# KiCad board Motherboard.kicad_pcb (continued)
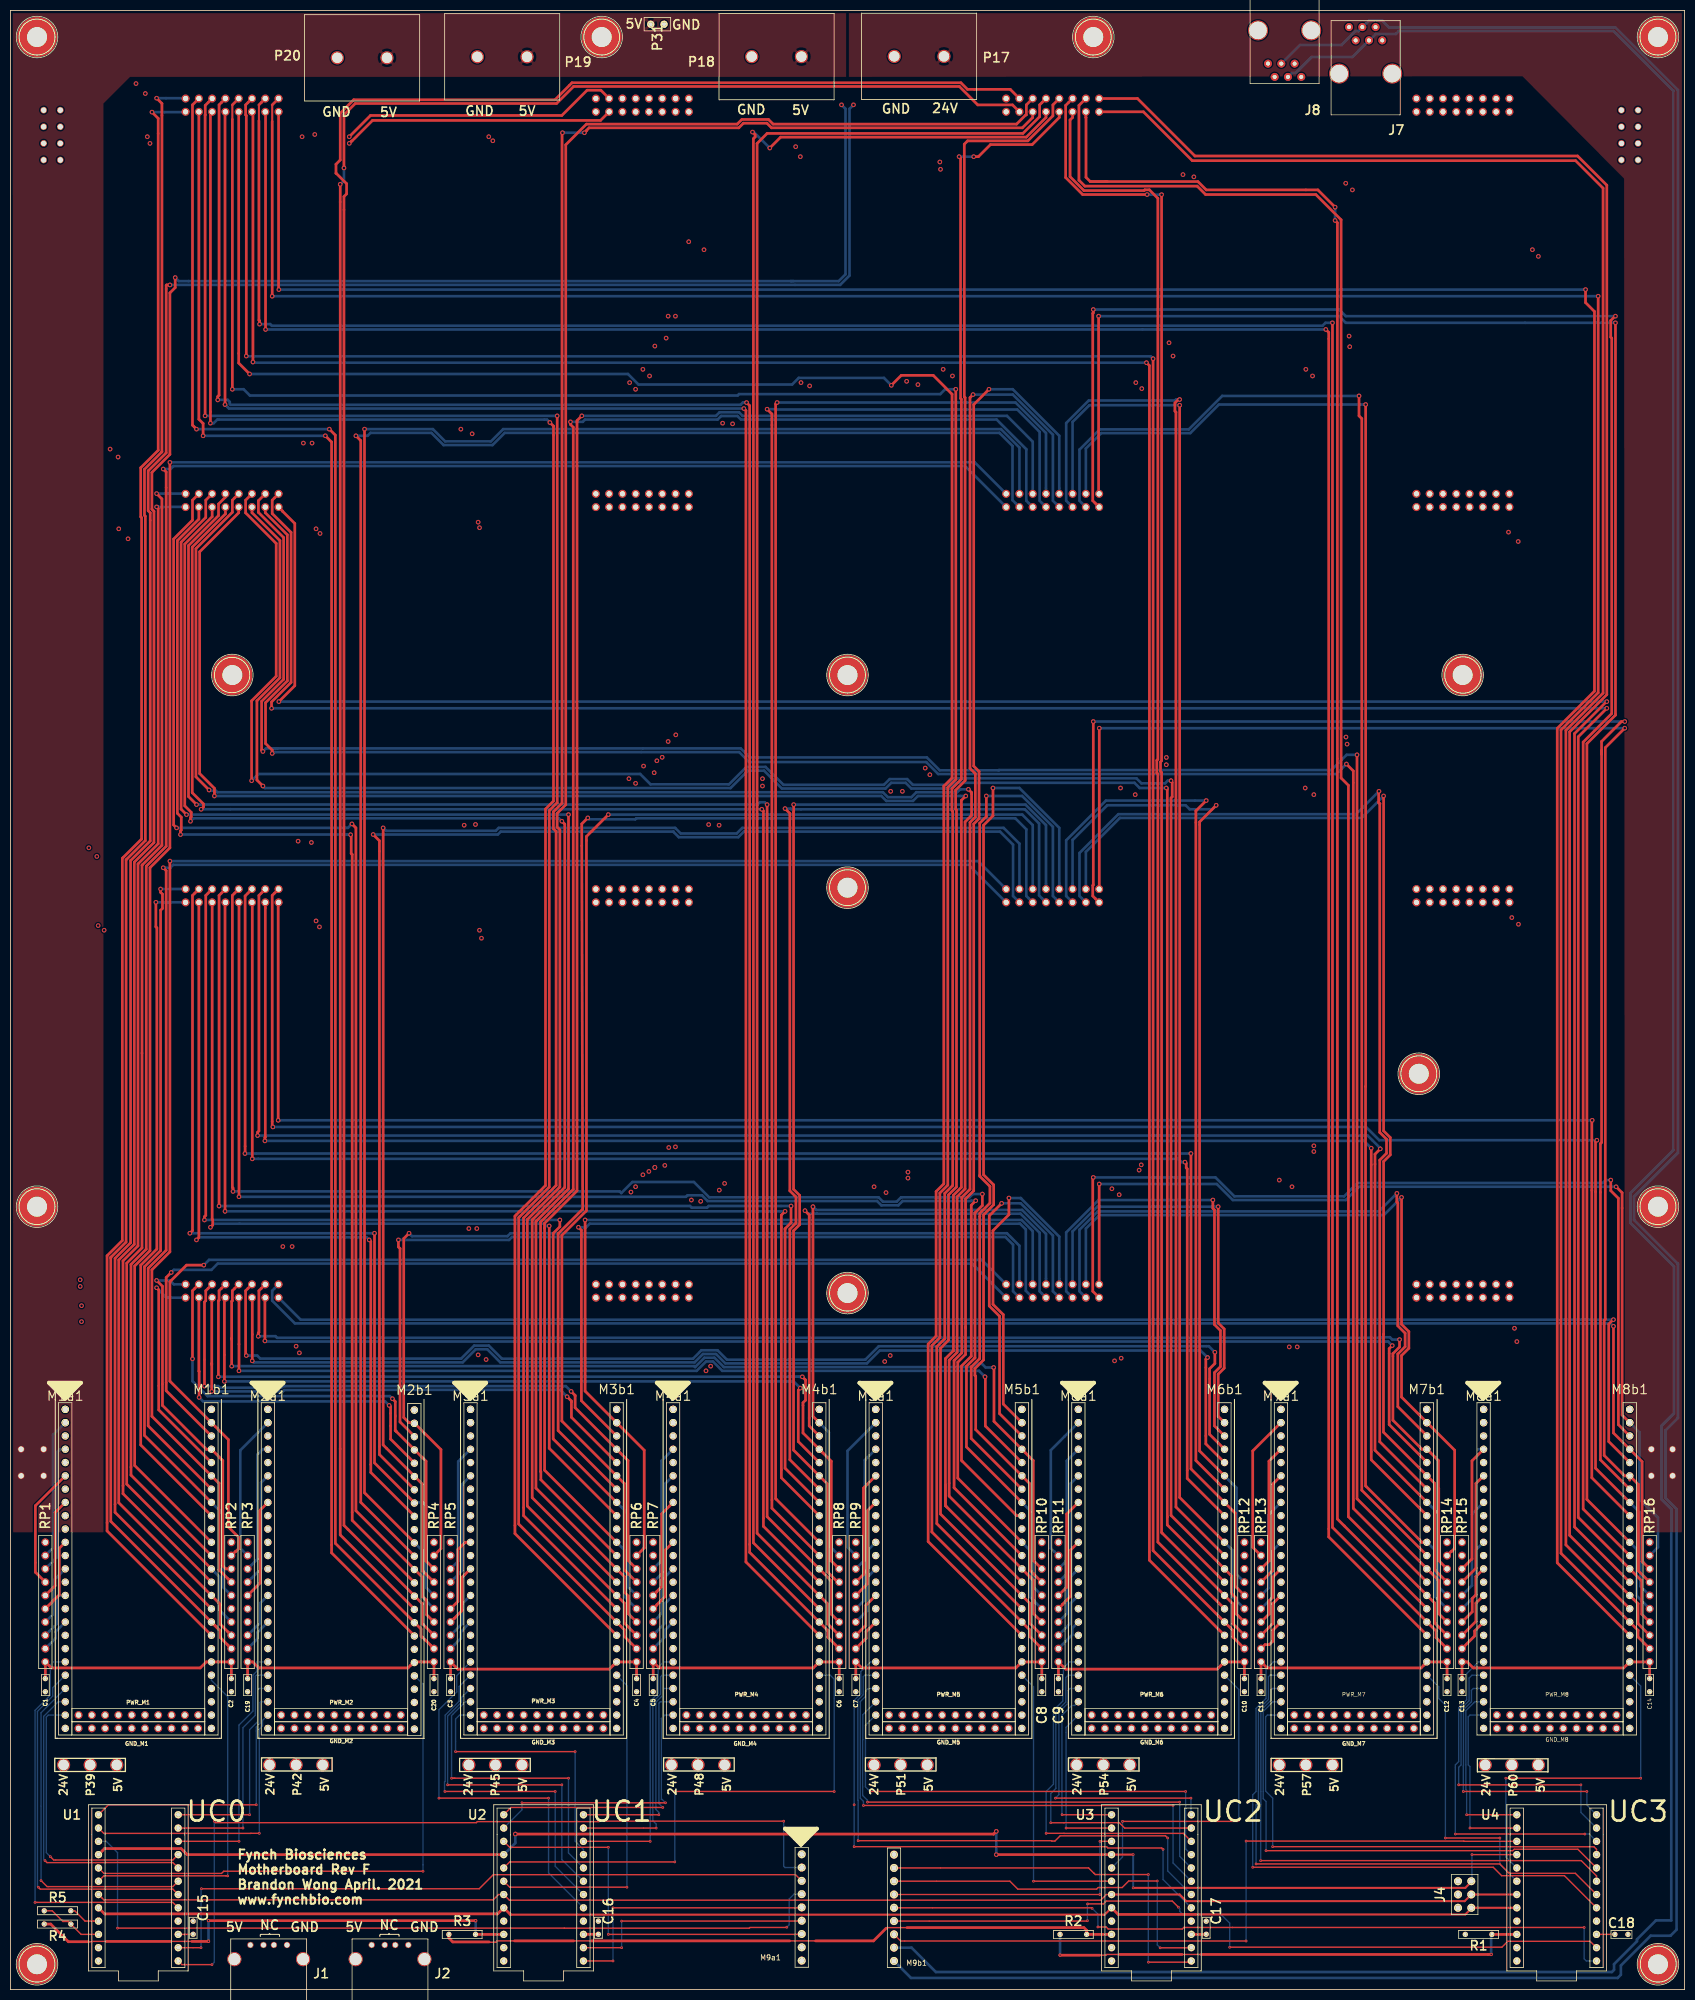
[diagram p0: board, top side]
## Routing (per net, layer and track width the routed paths; a pad name or vN(x,y) marks a point on that pad's centre or on a via; arc(x,y) is an arc through that point) (continued)
/LED+01: length 171.1
  In1.Cu w0.508: v2(167.39,152.3) 171.96,147.73 267.25,147.73 277.72,137.25 277.72,133.44 P1.7
  In2.Cu w0.508: M5a1.5 167.28,107.66 167.28,118.15 165.3,120.13 165.3,121.55 167.28,123.53 167.28,152.2 v2(167.39,152.3)
/LED+02: length 72.7
  Top w0.508: M5b1.6 189.09,110.06 189.09,128.66 187.12,130.63 187.12,147.88 v2(189.48,150.24)
  Bottom w0.508: P2.7 199.29,133.44 199.29,144.09 193.14,150.24 v2(189.48,150.24)
/LED+03: length 81.8
  In1.Cu w0.508: P3.7 122.07,121.66 122.74,120.99 134.53,120.99 134.8,120.73 163.83,120.73 164.26,121.16 v2(168.19,121.16)
  In2.Cu w0.508: 169.09,120.45 169.09,118.08 168.73,117.73 168.73,104.03 M5a1.9 ; 169.09,120.45 169.09,118.34 ; 169.09,120.45 168.38,121.16 v2(168.19,121.16)
/LED+04: length 177.9
  Top w0.508: M5b1.10 186.37,107.7 186.37,117.03 v2(186.31,117.09) ; P4.7 43.69,132.17 v2(43.69,118.24)
  Bottom w0.508: v2(186.31,117.09) 185.17,118.24 183.77,118.24 136.08,118.24 134.29,120.03 132.98,120.03 131.19,118.24 v2(43.69,118.24)
/LED+05: length 253.9
  In1.Cu w0.508: v2(170.51,228.98) 170.95,228.54 171.87,228.54 175.74,224.66 264.12,224.66 277.72,211.06 277.72,208.98 P5.7
  In2.Cu w0.508: M5a1.13 170.51,100.72 170.51,222.43 170.51,227.58 v2(170.51,228.98)
/LED+06: length 169.4
  Top w0.508: M5b1.14 183.67,105.32 183.67,119 183.7,119 185.29,120.59 185.29,147.7 185.32,147.73 185.32,148.35 187.25,150.28 187.25,153.48 185.32,155.41 185.32,155.55 185.29,155.58 185.29,222.89 186.56,224.16 v2(186.56,228.09)
  Bottom w0.508: v2(186.56,228.09) 193.4,228.09 199.29,222.2 199.29,208.98 P6.7
/LED+07: length 170.4
  In1.Cu w0.508: v2(171.58,156.21) 170.95,156.21 170.52,155.78 122.61,155.78 v2(122.05,156.34)
  In2.Cu w0.508: v2(122.05,156.34) 122.05,165.07 122.07,165.1 P7.7 ; M5a1.17 172.29,97.42 172.29,154.18 172.48,154.37 172.48,155.5 171.77,156.21 v2(171.58,156.21)
/LED+08: length 265.1
  Top w0.508: v2(43.69,151.51) 43.69,207.71 P8.7 ; v2(184.53,150.75) 183.68,149.9 183.68,121.02 181.81,119.16 181.81,101.11 192.37,90.55 M5b1.18
  Bottom w0.508: v2(184.53,150.75) 183.7,150.75 183.63,150.69 170.56,150.69 169.74,149.86 166.5,149.86 165.67,150.69 133.29,150.69 132.19,151.78 129.43,151.78 129.15,151.5 43.7,151.5 v2(43.69,151.51)
/LED+09: length 344.5
  In1.Cu w0.508: v2(173.48,306.71) 175.66,304.53 175.66,304.42 179.06,301.02 263.31,301.02 277.72,286.6 277.72,284.52 P9.7
  In2.Cu w0.508: v2(173.48,306.71) 173.94,306.25 173.94,90.46 166.41,82.93 M5a1.23
/LED+10: length 262.4
  Top w0.508: M5b1.24 180.39,95.9 180.39,120.18 181.88,121.67 181.88,151.39 183.44,152.95 183.44,223.04 184.45,224.06 184.45,232.36 183.44,233.38 183.44,304.22 v2(184.02,304.8)
  Bottom w0.508: v2(184.02,304.8) 191.62,304.8 199.29,297.13 199.29,284.52 P10.7
/LED+11: length 263
  In1.Cu w0.508: v2(175.77,232.16) 144.84,232.16 144.07,232.93 123.46,232.93 v2(123.06,232.54)
  In2.Cu w0.508: v2(175.77,232.16) 175.59,231.98 175.59,89.56 175.59,88.02 M5a1.27 ; P11.7 122.07,233.53 v2(123.06,232.54)
/LED+12: length 366.2
  Top w0.508: 178.74,92.47 178.74,96.48 ; 178.74,92.47 179.01,92.2 ; 178.74,92.47 178.74,120.56 180.24,122.07 180.26,122.07 180.26,151.79 181.79,153.31 181.79,227.25 v2(182.63,228.09) ; 178.74,92.47 179.01,92.2 ; P12.7 43.64,282.22 36.17,274.75 36.17,232.37 38.99,229.55 v2(38.99,228.09) ; 179.01,92.2 M5b1.28
  Bottom w0.508: v2(182.63,228.09) 173.48,228.09 172.54,227.15 167.44,227.15 166.5,228.09 v2(38.99,228.09)
/LED+13: length 386.5
  In1.Cu w0.508: v2(177.8,347.85) 178.49,348.54 269.72,348.54 278.94,357.76 P13.7
  In2.Cu w0.508: M5a1.31 177.24,84.59 177.24,231.28 177.39,231.43 177.39,347.45 v2(177.8,347.85)
/LED+14: length 309.8
  Top w0.508: v2(184.15,350.27) 185.04,350.27 187.35,352.58 195.32,352.58 200.51,357.76 P14.7 ; M5b1.32 177.09,89.04 177.09,122.85 178.61,124.37 178.61,152.15 180.14,153.67 180.14,225.17 179.98,225.32 179.98,229.5 181.79,231.31 181.79,303.92 181.64,304.07 181.64,349.99 v2(181.36,350.27)
  Bottom w0.508: v2(181.36,350.27) v2(184.15,350.27)
/LED+15: length 357.1
  In1.Cu w0.508: v2(122.17,308.36) v2(180.09,308.36)
  In2.Cu w0.508: M5a1.35 166.41,67.69 178.89,80.18 178.89,92.8 179.07,92.97 179.07,296.16 179.02,296.21 181.62,298.82 181.62,306.82 v2(180.09,308.36) ; P15.7 122.17,358.74 v2(122.17,308.36)
/LED+16: length 436
  Top w0.508: M5b1.36 175.44,85.61 175.44,123.36 176.96,124.88 176.96,152.51 178.44,153.98 178.44,229.97 180.01,231.54 180.01,304.88 176.4,308.48 170.31,308.48 v2(168.4,306.58) ; v2(45.72,308.74) 43.64,310.82 P16.7
  Bottom w0.508: v2(168.4,306.58) 166.99,307.99 150.7,307.99 149.43,306.72 120.07,306.72 118.05,308.74 v2(45.72,308.74)
/LED-01: length 199
  In1.Cu w0.508: v2(165.1,153.42) 167.6,153.42 172.58,148.44 267.55,148.44 278.94,137.04 P1.8
  In2.Cu w0.508: M5a1.3 166.57,109.49 166.57,117.86 164.59,119.84 164.59,121.84 166.57,123.82 166.57,148.97 165.1,150.44 v2(165.1,153.42)
  Bottom w0.508: RP9.9 160.02,84.52 160.02,102.93 M5a1.3
/LED-02: length 95.3
  Top w0.508: M5b1.4 189.8,111.89 189.8,128.97 187.83,130.94 187.83,145.03 190.88,148.08 v2(190.88,151.26)
  In2.Cu w0.508: RP10.9 195.07,85.03 195.07,106.62 M5b1.4
  Bottom w0.508: P2.8 200.51,143.88 193.13,151.26 v2(190.88,151.26)
/LED-03: length 103.2
  In1.Cu w0.508: P3.8 120.75,133.44 120.75,121.97 122.44,120.28 134.04,120.28 134.3,120.01 v2(167.13,120.01)
  In2.Cu w0.508: M5a1.7 168.02,105.85 168.02,119.13 v2(167.13,120.01)
  Bottom w0.508: RP9.8 163.32,82.11 163.32,101.16 M5a1.7
/LED-04: length 206.5
  Top w0.508: 42.29,124.46 42.29,131.51 42.42,131.63 42.42,133.54 P4.8 ; 42.29,124.46 42.29,124.21 ; 42.29,124.46 v2(42.29,119.13) ; v2(187.96,118.87) 188.02,118.81 188.02,108.59 M5b1.8 195.53,101.08 195.53,82.03 RP10.8
  Bottom w0.508: v2(42.29,119.13) 42.3,119.14 130.7,119.14 130.89,118.95 132.68,120.74 134.59,120.74 136.38,118.95 184.35,118.95 184.98,119.57 185.74,119.57 186.44,118.87 v2(187.96,118.87)
/LED-05: length 275.2
  Top w0.508: M5a1.11 163.07,95.82 163.07,79.31 RP9.7
  In1.Cu w0.508: P5.8 278.94,211.38 264.95,225.37 176.45,225.37 171.58,230.25 169.54,230.25 v2(168.28,228.98)
  In2.Cu w0.508: M5a1.11 169.8,102.55 169.8,120.74 169.42,121.12 169.42,227.84 v2(168.28,228.98)
/LED-06: length 187.6
  Top w0.508: RP10.7 194.82,80.2 194.82,96.71 M5b1.12 184.53,107 184.53,117.22 184.38,117.37 184.38,118.67 186.03,120.32 186.03,148.06 187.96,149.99 187.96,153.77 186.03,155.7 186.03,222.5 187.83,224.31 v2(187.83,229.62)
  Bottom w0.508: P6.8 200.51,221.99 192.88,229.62 v2(187.83,229.62)
/LED-07: length 191.5
  Top w0.508: M5a1.15 163.83,91.5 163.83,77.53 161.61,75.31
  In1.Cu w0.508: v2(171.58,155.07) 121.54,155.07 v2(120.9,155.7)
  In2.Cu w0.508: 120.85,209.08 P7.8 120.85,209.08 ; 120.85,209.08 120.85,155.75 v2(120.9,155.7) ; 171.45,120.4 171.45,99.12 M5a1.15 ; 171.58,120.52 v2(171.58,155.07)
/LED-08: length 288.7
  Top w0.508: v2(185.8,152.02) 185.8,149.84 184.39,148.43 184.39,120.69 184.36,120.69 182.75,119.09 182.75,103.7 M5b1.16 ; P8.8 42.42,209.08 42.42,153.28 42.54,153.16 v2(42.54,152.53)
  Bottom w0.508: M5b1.16 195.53,90.92 195.53,76.95 197.17,75.31 ; v2(185.8,152.02) 183.96,152.02 183.34,151.4 170.27,151.4 169.44,150.57 166.79,150.57 165.97,151.4 133.58,151.4 130.66,154.32 118.88,154.32 116.78,152.21 116.46,152.53 v2(42.54,152.53)
/LED-09: length 357.9
  In1.Cu w0.508: v2(171.32,307.34) 171.95,307.34 172.26,307.64 174.4,307.64 180.32,301.73 264.13,301.73 278.94,286.92 P9.8
  In2.Cu w0.508: M5a1.21 173.23,93.28 173.23,305.44 v2(171.32,307.34)
  Bottom w0.508: 165.42,85.15 M5a1.21 164.08,84.14 164.08,80.52 163.12,79.55 163.12,74.28 RP9.5
/LED-10: length 271.5
  Top w0.508: 182.59,126.62 182.59,121.37 181.1,119.89 181.1,97.73 M5b1.22 ; 182.59,126.62 182.59,126.33 ; 182.59,126.62 182.59,151.09 184.15,152.65 184.15,222.75 185.17,223.76 185.17,232.79 184.15,233.81 184.15,302.89 v2(187.07,305.82)
  Bottom w0.508: M5b1.22 194.82,84.01 194.82,75.12 RP10.5 ; v2(187.07,305.82) 191.61,305.82 200.51,296.92 P10.8
/LED-11: length 275.6
  In1.Cu w0.508: v2(121.03,233.81) 131.89,233.81 131.95,233.87 174.43,233.87 v2(174.88,233.43)
  In2.Cu w0.508: v2(121.03,233.81) 121.03,282.54 120.85,282.71 120.85,284.62 P11.8 ; v2(174.88,233.43) 174.88,232.8 174.65,232.57 174.65,229.72 174.88,229.49 174.88,89.85 M5a1.25
  Bottom w0.508: M5a1.25 163.83,78.8 163.83,72.45 RP9.4
/LED-12: length 375.9
  Top w0.508: v2(183.13,229.36) 183.74,228.75 183.74,224.38 182.5,223.14 182.5,153.01 180.97,151.49 180.97,121.77 179.47,120.27 179.45,120.27 179.45,94.3 M5b1.26 195.53,78.22 195.53,71.87 RP10.4 ; v2(37.97,229.24) 35.46,231.75 35.46,275.35 42.42,282.31 42.42,284.62 P12.8
  Bottom w0.508: v2(183.13,229.36) 181.53,229.36 180.97,228.8 173.18,228.8 172.24,227.86 167.73,227.86 166.79,228.8 39.55,228.8 39.24,229.11 38.1,229.11 v2(37.97,229.24)
/LED-13: length 395.8
  Top w0.508: M5a1.29 163.51,73.41 163.51,69.6 161.61,67.69
  In1.Cu w0.508: P13.8 277.72,360.16 277.72,358.08 268.9,349.25 v2(177.67,349.25)
  In2.Cu w0.508: M5a1.29 176.53,86.42 176.53,231.57 176.68,231.72 176.68,348.46 177.47,349.25 v2(177.67,349.25)
/LED-14: length 318.1
  Top w0.508: P14.8 199.29,360.16 199.29,358.08 194.5,353.29 182.98,353.29 182.35,352.65 182.35,304.37 182.5,304.21 182.5,231.01 180.7,229.21 180.7,225.62 180.85,225.47 180.85,153.38 179.32,151.85 179.32,124.08 177.8,122.56 177.8,90.87 M5b1.30 194.82,73.85 194.82,70.04 197.17,67.69
/LED-15: length 361.1
  Top w0.508: M5a1.33 163.58,68.39 163.58,67.12 RP9.2
  In1.Cu w0.508: v2(178.31,309.63) v2(120.9,309.63)
  In2.Cu w0.508: M5a1.33 178.18,82.99 178.18,93.09 178.31,93.22 v2(178.31,309.63) ; v2(120.9,309.63) 120.9,310.25 120.85,310.31 120.85,360.16 P15.8
/LED-16: length 446.6
  Top w0.381: 42.42,360.16 42.42,357.38
  Top w0.508: v2(42.42,305.82) 42.42,357.38 ; 42.42,360.16 P16.8 ; RP10.2 194.82,67.5 194.82,68.77 M5b1.34 176.15,87.44 176.15,123.06 177.67,124.59 177.67,152.21 179.2,153.74 179.2,229.72 180.72,231.25 v2(180.72,305.82)
  Bottom w0.508: v2(42.42,305.82) 44.58,305.82 45.77,304.62 139.01,304.62 139.28,304.89 177.76,304.89 178.69,305.82 v2(180.72,305.82)
/M1_3V3: length 42.9
  Top w0.508: C2.2 RP2.1 M1b1.40 37.43,62.61 36.27,61.46 7.82,61.46 RP1.1 C1.2
/M2_3V3: length 43
  Top w0.508: C19.2 RP3.1 46.33,62.61 47.48,61.46 76,61.46 77.15,62.61 RP4.1 C20.2
/M3_3V3: length 43.1
  Top w0.508: C3.2 RP5.1 85.52,61.23 114.5,61.23 M3b1.40 RP6.1 C4.2
/M4_3V3: length 42.9
  Top w0.508: C6.2 RP8.1 M4b1.40 153.47,61.46 124.03,61.46 RP7.1 C5.2
/M5_3V3: length 42.9
  Top w0.508: C7.2 RP9.1 162.76,61.46 192.2,61.46 M5b1.40 RP10.1 C8.2
/M6_3V3: length 43.1
  Top w0.508: C9.2 RP11.1 201.73,61.23 230.71,61.23 M6b1.40 RP12.1 C10.2
/M7_3V3: length 42.9
  Top w0.508: C12.2 RP14.1 270.83,62.61 269.67,61.46 240.23,61.46 RP13.1 C11.2
/M8_3V3: length 43.2
  Top w0.508: C13.2 RP15.1 278.48,62.61 279.64,61.46 308.41,61.46 M8b1.40 RP16.1 C14.2
/PD+01: length 130.6
  In1.Cu w0.508: v2(211.96,151.89) 230.19,151.89 232.79,149.29 267.7,149.29 280.26,136.73 280.26,133.44 P1.5
  In2.Cu w0.508: M6a1.5 211.28,112.92 211.28,117.9 209.25,119.93 209.25,124.29 211.28,126.32 211.28,151 211.47,151.19 211.47,151.4 v2(211.96,151.89)
/PD+02: length 90.5
  Top w0.508: M6b1.6 230.17,107.71 230.17,117.9 231.32,119.04 231.32,125.93 230.17,127.08 230.17,148.98 229.87,149.29 v2(229.87,150.88)
  Bottom w0.508: v2(229.87,150.88) 208.03,150.88 201.83,144.68 201.83,133.44 P2.5
/PD+03: length 121.6
  In1.Cu w0.508: v2(212.34,120.65) 211.51,121.49 170.2,121.49 168.91,122.77 132.3,122.77 132.28,122.76 125.09,122.76 124.61,123.24 P3.5
  In2.Cu w0.508: M6a1.9 212.93,109.49 212.93,120.07 v2(212.34,120.65)
/PD+04: length 221.6
  Top w0.508: M6b1.10 228.52,104.28 228.52,120.45 v2(228.85,120.78) ; P4.5 46.23,132.17 v2(46.23,120.14)
  Bottom w0.508: v2(228.85,120.78) 227.52,122.11 166.18,122.11 163.73,119.66 136.67,119.66 134.88,121.45 132.38,121.45 130.78,119.85 93.65,119.85 91.15,122.35 88.95,122.35 86.45,119.85 46.52,119.85 v2(46.23,120.14)
/PD+05: length 214.4
  In1.Cu w0.381: 280.26,211.06 280.26,208.98
  In1.Cu w0.508: P5.5 280.26,208.98 ; 280.26,211.06 264.88,226.44 233.69,226.44 231.79,228.35 226.24,228.35 225.09,227.2 216.15,227.2 215.47,227.89 215.47,227.9 v2(215.02,228.35)
  In2.Cu w0.508: M6a1.13 214.83,106.31 214.83,121.75 214.83,228.16 v2(215.02,228.35)
/PD+06: length 177
  Top w0.508: M6b1.14 226.62,101.1 226.62,225.23 v2(228.6,227.22)
  Bottom w0.508: v2(228.6,227.22) 209.42,227.22 201.83,219.62 201.83,208.98 P6.5
/PD+07: length 214.7
  In1.Cu w0.508: v2(125.09,157.49) 125.45,157.85 213.49,157.85 213.69,158.05 215.73,158.05 v2(216.18,157.61)
  In2.Cu w0.508: M6a1.17 216.48,102.88 216.48,155.19 216.67,155.38 216.67,157.11 v2(216.18,157.61) ; 124.61,158.37 124.61,157.98 v2(125.09,157.49) ; 124.61,158.37 P7.5 ; 124.61,158.37 124.61,158.08
/PD+08: length 298.3
  Top w0.508: v2(46.23,158.75) 46.23,207.71 P8.5 ; M6b1.18 224.97,97.68 224.97,156.84 224.78,157.04 224.78,157.87 v2(224.54,158.12)
  Bottom w0.508: v2(46.23,158.75) 223.27,158.75 223.91,158.12 v2(224.54,158.12)
/PD+09: length 305.4
  In1.Cu w0.508: P9.5 280.26,284.52 280.26,286.6 261.3,305.56 220.98,305.56 220.6,305.94 v2(216.28,305.94)
  In2.Cu w0.508: v2(216.28,305.94) 218.12,304.1 218.14,304.1 218.14,96.91 M6a1.23
/PD+10: length 265.5
  Top w0.508: M6b1.24 222.81,92.21 222.81,301.45 222.62,301.64 222.62,303.2 223.28,303.86 v2(223.52,303.86)
  Bottom w0.508: P10.5 201.83,284.52 201.83,299.35 206.14,303.67 222.63,303.67 222.82,303.86 v2(223.52,303.86)
/PD+11: length 309.6
  In1.Cu w0.508: v2(124.59,235.48) 124.61,235.46 v2(220.98,235.46)
  In2.Cu w0.508: M6a1.27 219.79,93.48 219.79,230.76 219.84,230.76 221.87,232.79 221.87,234.57 v2(220.98,235.46) ; v2(124.59,235.48) 124.59,283.27 P11.5
/PD+12: length 391.6
  Top w0.508: v2(48.26,230) 47.12,231.14 47.12,246.29 51.51,250.68 51.51,276.89 46.18,282.22 P12.5 ; v2(220.97,229.62) 221.16,229.43 221.16,88.79 M6b1.28
  Bottom w0.508: v2(48.26,230) 48.65,229.6 137.66,229.6 140.98,232.93 144.07,232.93 147.49,229.51 167.28,229.51 168.38,230.61 171.13,230.61 172.23,229.51 179.48,229.51 180.57,230.61 214.88,230.61 215.87,229.62 v2(220.97,229.62)
/PD+13: length 346.4
  In1.Cu w0.508: P13.5 281.48,357.76 270.13,346.41 v2(226.23,346.41)
  In2.Cu w0.508: M6a1.31 221.44,90.06 221.44,227.67 223.52,229.75 223.52,235.45 220.42,238.55 220.42,340.6 v2(226.23,346.41)
/PD+14: length 306.2
  Top w0.508: M6b1.32 219.35,85.51 219.35,232.28 219.15,232.49 219.15,234.9 219.35,235.1 219.35,342.3 217.73,343.93 216.86,343.93 216.72,343.79 205.22,343.79 202.56,346.45 202.56,357.28 203.05,357.76 P14.5
/PD+15: length 398.7
  In1.Cu w0.508: v2(221.49,314.71) 221.41,314.78 126.16,314.78 v2(125.35,315.6)
  In2.Cu w0.508: M6a1.35 223.09,86.63 223.09,227.31 224.94,229.16 224.94,236.04 221.84,239.14 221.84,303.63 223.77,305.56 223.77,312.42 v2(221.49,314.71) ; v2(125.35,315.6) 124.61,316.33 P15.5
/PD+16: length 468.1
  Top w0.508: v2(46.35,311.02) 46.35,358.66 P16.5 ; M6b1.36 217.73,82.05 217.73,310.34 v2(217.17,310.9)
  Bottom w0.508: v2(217.17,310.9) 46.48,310.9 v2(46.35,311.02)
/PD-01: length 156.8
  In1.Cu w0.508: v2(210.57,153.03) 230.05,153.03 233.09,150 268,150 281.48,136.51 P1.6
  In2.Cu w0.508: M6a1.3 210.57,114.74 210.57,117.6 208.53,119.63 208.53,124.59 210.57,126.62 v2(210.57,153.03)
  Bottom w0.508: RP11.9 199.59,83.68 199.53,83.68 198.88,84.33 198.88,103.06 M6a1.3
/PD-02: length 109.6
  Top w0.508: M6b1.4 230.89,109.54 230.89,117.6 232.03,118.75 232.03,126.24 230.89,127.38 v2(230.89,149.61)
  In2.Cu w0.508: RP12.9 234.44,84.39 234.44,105.98 M6b1.4
  Bottom w0.508: P2.6 203.05,144.88 207.77,149.61 v2(230.89,149.61)
/PD-03: length 146.8
  In1.Cu w0.508: P3.6 123.39,133.54 123.39,123.11 124.46,122.05 132.97,122.05 132.98,122.06 168.62,122.06 169.9,120.78 210.44,120.78 v2(211.07,120.14)
  In2.Cu w0.508: M6a1.7 205.14,103.25 212.22,110.33 212.22,119 v2(211.07,120.14)
  Bottom w0.508: RP11.8 201.93,81.98 201.93,101.03 M6a1.7
/PD-04: length 249.2
  Top w0.508: M6b1.8 229.23,106.11 229.23,118.62 230.25,119.63 v2(230.25,121.79) ; P4.6 44.96,133.54 44.96,121.29 v2(45.09,121.16)
  In2.Cu w0.508: RP12.8 233.68,82.61 233.68,101.66 M6b1.8
  Bottom w0.508: v2(230.25,121.79) 229.11,122.94 166,122.94 163.43,120.37 136.97,120.37 135.17,122.16 132.09,122.16 130.49,120.56 93.95,120.56 91.44,123.06 88.66,123.06 86.17,120.57 47.75,120.57 47.17,121.16 v2(45.09,121.16)
/PD-05: length 237.2
  In1.Cu w0.508: 281.31,211.33 281.48,211.15 P5.6 ; 281.31,211.33 281.43,211.2 ; 281.31,211.33 265.48,227.15 233.98,227.15 232.08,229.06 225.94,229.06 224.8,227.91 216.79,227.91 215.09,229.62 v2(212.22,229.62)
  In2.Cu w0.508: M6a1.11 214.12,108.14 214.12,122.05 214.12,122.05 214.12,227.71 v2(212.22,229.62)
  Bottom w0.508: RP11.7 202.69,80.2 202.69,96.71 M6a1.11
/PD-06: length 193.5
  Top w0.508: M6b1.12 227.33,102.93 227.33,223.14 v2(230.5,226.31)
  Bottom w0.508: RP12.7 234.39,79.36 234.39,95.87 M6b1.12 ; P6.6 203.05,219.68 209.68,226.31 224.66,226.31 225.42,225.55 229.74,225.55 v2(230.5,226.31)
/PD-07: length 234.8
  Top w0.508: 200.34,75.31 201.93,76.9 201.93,90.87 M6a1.15
  In1.Cu w0.508: v2(215.77,156.59) 215.25,157.11 129.55,157.11 128.93,156.49 123.8,156.49 v2(123.19,157.1)
  In2.Cu w0.508: v2(215.77,156.59) 215.77,104.71 M6a1.15 ; P7.6 123.39,209.08 123.39,157.93 123.19,157.73 v2(123.19,157.1)
/PD-08: length 320.6
  Top w0.508: 235.9,75.31 234.14,77.08 234.14,91.05 M6b1.16 225.68,99.5 v2(225.68,159.77) ; P8.6 44.86,208.98 44.86,159.79 v2(44.83,159.77)
  Bottom w0.508: v2(44.83,159.77) v2(225.68,159.77)
/PD-09: length 318.1
  Top w0.508: M6a1.21 202.69,84.01 202.69,75.18 201.09,73.58 201.09,73.52 RP11.5
  In1.Cu w0.508: v2(215.14,307.09) 261.31,307.09 281.48,286.92 P9.6
  In2.Cu w0.508: M6a1.21 217.42,98.74 217.42,302.77 215.14,305.05 v2(215.14,307.09)
/PD-10: length 270.7
  Top w0.508: M6b1.22 223.52,94.04 v2(223.52,302.77)
  Bottom w0.508: v2(223.52,302.77) 206.25,302.77 203.05,299.57 P10.6 ; RP12.5 233.68,74.99 233.68,83.88 M6b1.22
/PD-11: length 321.7
  In1.Cu w0.508: v2(220.97,234.06) 175.58,234.06 175.06,234.58 131.33,234.58 131.27,234.52 123.88,234.52 v2(123.57,234.82)
  In2.Cu w0.508: P11.6 123.39,284.62 123.39,235 v2(123.57,234.82) ; M6a1.25 219.07,95.31 219.07,232.17 v2(220.97,234.06)
  Bottom w0.508: RP11.4 201.93,71.82 201.93,78.17 M6a1.25
/PD-12: length 408.4
  Top w0.508: RP12.4 234.39,71.74 234.39,74.73 233.43,75.69 233.43,79.06 M6b1.26 221.87,90.61 221.87,227.71 222.1,227.94 222.1,230.66 221.87,230.89 v2(221.87,231.01) ; v2(46.1,231.01) 46.1,246.28 50.8,250.98 50.8,276.35 44.96,282.19 44.96,284.62 P12.6
  Bottom w0.508: v2(221.87,231.01) 221.24,231.01 220.73,230.5 216.22,230.5 215.26,231.46 180.41,231.46 179.18,230.23 172.52,230.23 171.43,231.32 168.08,231.32 166.99,230.23 147.78,230.23 144.36,233.64 140.69,233.64 137.36,230.31 122.36,230.31 120.38,232.3 47.38,232.3 v2(46.1,231.01)
/PD-13: length 356.1
  In1.Cu w0.508: v2(224.16,346.84) 224.96,347.64 269.82,347.64 280.26,358.08 280.26,360.16 P13.6
  In2.Cu w0.508: M6a1.29 220.73,91.88 220.73,227.97 222.77,230.01 222.77,235.19 219.71,238.25 219.71,341.16 224.16,345.61 v2(224.16,346.84)
  Bottom w0.508: M6a1.29 202.69,73.85 202.69,70.04 200.34,67.69
/PD-14: length 317.4
  Top w0.508: v2(220.07,343) 220.07,234.81 219.86,234.6 219.86,232.78 220.07,232.58 220.07,87.34 M6b1.30 233.68,73.72 233.68,69.91 235.9,67.69 ; v2(217.3,343.03) 204.98,343.03 201.73,346.28 201.73,360.06 P14.6
  Bottom w0.508: v2(217.3,343.03) 217.32,343 v2(220.07,343)
/PD-15: length 406.4
  In1.Cu w0.508: v2(222.25,312.17) 220.34,314.07 v2(123.19,314.07)
  In2.Cu w0.508: v2(123.19,314.07) 123.19,314.7 123.39,314.9 123.39,360.16 P15.6 ; v2(222.25,312.17) 221.13,311.05 221.13,238.84 224.23,235.74 224.23,229.46 222.38,227.6 222.38,88.46 M6a1.33
  Bottom w0.508: RP11.2 203,67.81 203,69.08 M6a1.33
/PD-16: length 477.1
  Top w0.508: v2(45.09,312.17) 45.09,358.13 44.96,358.25 44.96,360.16 P16.6 ; v2(218.44,311.66) 218.44,83.88 M6b1.34 233.68,68.64 233.68,67.37 RP12.2
  Bottom w0.508: v2(45.09,312.17) 45.15,312.1 218,312.1 v2(218.44,311.66)
/SPA+01: length 28.9
  In2.Cu w0.508: P1.1 286.56,128.57 286.05,128.07 286.05,118.74 286.56,118.24 286.56,110.73 M8a1.5
/SPA+02: length 175.6
  Top w0.508: v2(305.94,154.69) 305.94,152.65 307.39,151.21 307.39,107.96 M8b1.6 ; v2(207.01,155.19) 206.91,155.09 206.91,133.44 P2.1
  Bottom w0.508: v2(305.94,154.69) 304.98,154.69 304.42,154.13 257.51,154.13 256.41,153.03 256.41,153.02 254.98,151.59 233.97,151.59 230.37,155.19 v2(207.01,155.19)
/SPA+03: length 190.1
  In1.Cu w0.508: v2(287.99,123.82) 286.47,125.34 132.22,125.34 129.67,127.89 129.67,131.12 129.69,131.14 P3.1
  In2.Cu w0.508: v2(287.99,123.82) 287.99,107.07 M8a1.9
/SPA+04: length 286.3
  Top w0.508: v2(306.45,128.02) 306.39,128.02 305.55,127.18 305.55,104.72 M8b1.10
  Bottom w0.508: v2(306.45,128.02) 55.46,128.02 P4.1
/SPA+05: length 117.3
  In2.Cu w0.508: M8a1.13 289.64,103.64 289.64,113.11 289.86,113.33 289.86,135.32 286.56,138.62 286.56,199.77 286.12,200.22 286.12,205.28 286.56,205.73 P5.1
/SPA+06: length 288.8
  Top w0.508: v2(308.61,242.32) 307.98,242.32 304.18,238.51 304.18,236.09 ; 304.18,236.09 304.18,161.87 303.96,161.66 303.96,101.23 M8b1.14 ; 304.18,236.09 304.18,236.84 ; v2(207.01,242.32) 207.01,211.09 206.91,210.99 206.91,208.98 P6.1
  Bottom w0.508: v2(308.61,242.32) v2(207.01,242.32)
/SPA+07: length 279.2
  In1.Cu w0.508: P7.1 133.31,204.14 286.39,204.14 286.94,203.58 v2(288.29,203.58)
  In2.Cu w0.508: 288.37,201.04 288.37,138.98 291.29,136.06 291.29,100.22 M8a1.17 ; 288.37,201.04 288.37,201.6 ; 288.37,201.04 288.37,203.5 v2(288.29,203.58)
/SPA+08: length 371.5
  Top w0.508: v2(302.39,166.12) 302.31,166.04 302.31,97.8 M8b1.18 ; P8.1 51.18,207.68 v2(51.18,166.12)
  Bottom w0.508: v2(51.18,166.12) v2(302.39,166.12)
/SPA+09: length 208.6
  In2.Cu w0.508: P9.1 286.56,280.02 285.48,278.94 285.48,276.81 286.56,275.73 286.56,213.94 290.02,210.49 290.02,139.34 292.94,136.42 292.94,94.25 M8a1.23
/SPA+10: length 381.9
  Top w0.508: v2(306.83,319.79) 306.77,319.79 305.93,318.95 305.93,315.79 306.12,315.6 306.12,243.84 300.66,238.38 300.66,91.83 M8b1.24 ; v2(207.01,321.06) 207.01,320.43 206.91,320.33 206.91,284.52 P10.1
  Bottom w0.508: v2(207.01,321.06) 254,321.06 255.27,319.79 v2(306.83,319.79)
/SPA+11: length 368.6
  In1.Cu w0.508: 134.25,280.42 133.91,280.76 ; 134.25,280.42 136.87,277.8 281.94,277.8 283.02,276.72 v2(288.24,276.72) ; 134.25,280.42 131.37,283.3 P11.1
  In2.Cu w0.508: M8a1.27 294.59,90.82 294.59,136.78 291.67,139.7 291.67,210.85 288.24,214.28 v2(288.24,276.72)
/SPA+12: length 468.8
  Top w0.508: v2(51.31,246.13) 54.36,249.17 54.36,280.16 52.02,282.5 52.02,282.54 P12.1 ; M8b1.28 299.01,88.4 299.01,240.02 305.12,246.13 v2(305.18,246.13)
  Bottom w0.508: v2(305.18,246.13) v2(51.31,246.13)
/SPA+13: length 296.1
  In2.Cu w0.508: P13.1 286.56,289 290.07,285.5 290.07,214.46 293.32,211.21 293.32,210.82 293.32,140.06 296.24,137.14 296.24,136.65 296.24,87.39 M8a1.31
/SPA+14: length 381.9
  Top w0.508: P14.1 216.6,358.84 225.93,349.5 299.21,349.5 304.47,344.25 304.47,247.76 297.36,240.64 297.36,84.98 M8b1.32
/SPA+15: length 461.4
  In1.Cu w0.508: v2(129.67,334.01) 132.46,331.22 v2(292.1,331.22)
  In2.Cu w0.508: v2(292.1,331.22) 291.67,330.78 291.67,214.87 294.97,211.57 294.97,210.14 294.97,140.42 297.89,137.5 297.89,128.48 297.89,83.96 M8a1.35 ; P15.1 129.67,358.81 v2(129.67,334.01)
/SPA+16: length 550.4
  Top w0.508: P16.1 51.26,324.92 v2(51.31,324.87) ; v2(301.12,324.87) 301.12,322.38 302.82,320.68 302.82,248.12 295.71,241 295.71,81.55 M8b1.36
  Bottom w0.508: v2(301.12,324.87) v2(51.31,324.87)
/SPA-01: length 55.6
  In2.Cu w0.508: P1.2 285.34,133.54 285.34,112.05 M8a1.3 279.4,106.11 279.4,84.84 RP15.9
/SPA-02: length 194.8
  Top w0.508: M8b1.4 308.1,109.79 308.1,152.27 v2(306.96,153.42) ; P2.2 208.13,153.91 v2(208.15,153.94)
  Bottom w0.508: RP16.9 314.96,84.52 314.96,90.17 311.4,93.73 311.4,106.49 M8b1.4 ; v2(208.15,153.94) 230.62,153.94 233.68,150.88 255.27,150.88 257.81,153.42 v2(306.96,153.42)
/SPA-03: length 215.3
  Top w0.508: M8a1.7 279.4,101.03 279.4,82.3 RP15.8
  In1.Cu w0.508: v2(287.53,126.37) 133.98,126.37 131.95,128.4 131.95,132.5 P3.2
  In2.Cu w0.508: v2(287.53,126.37) 286.77,125.6 286.77,119.25 287.27,118.74 287.27,108.9 M8a1.7
  Bottom w0.508: M8a1.7 280.63,103.25
/SPA-04: length 311.3
  Top w0.508: v2(306.45,126.75) 306.45,106.36 M8b1.8 311.92,100.89 311.92,81.78 312.1,81.6 312.17,81.6 RP16.8
  Bottom w0.508: v2(306.45,126.75) 305.89,127.3 54.37,127.3 50.04,131.63 50.04,133.54 P4.2
/SPA-05: length 139.4
  Top w0.508: RP15.7 280.16,80.52 280.16,96.71 M8a1.11
  In2.Cu w0.508: P5.2 285.34,209.08 285.34,199.77 285.85,199.26 285.85,138.33 289.15,135.03 289.15,113.63 288.93,113.4 288.93,105.47 M8a1.11
/SPA-06: length 301.1
  Top w0.508: RP16.7 311.21,80.01 311.21,96.52 M8b1.12 ; v2(308.61,241.05) 304.89,237.32 304.89,128.1 304.67,127.89 304.67,102.07 308.57,98.17 M8b1.12 ; M8b1.12 309.56,97.34 ; v2(208.15,241.05) 208.15,210.32 P6.2
  Bottom w0.508: v2(308.61,241.05) v2(208.15,241.05)